# Altium PCB NURIP.PcbDoc (part 4 of 14) (continued)
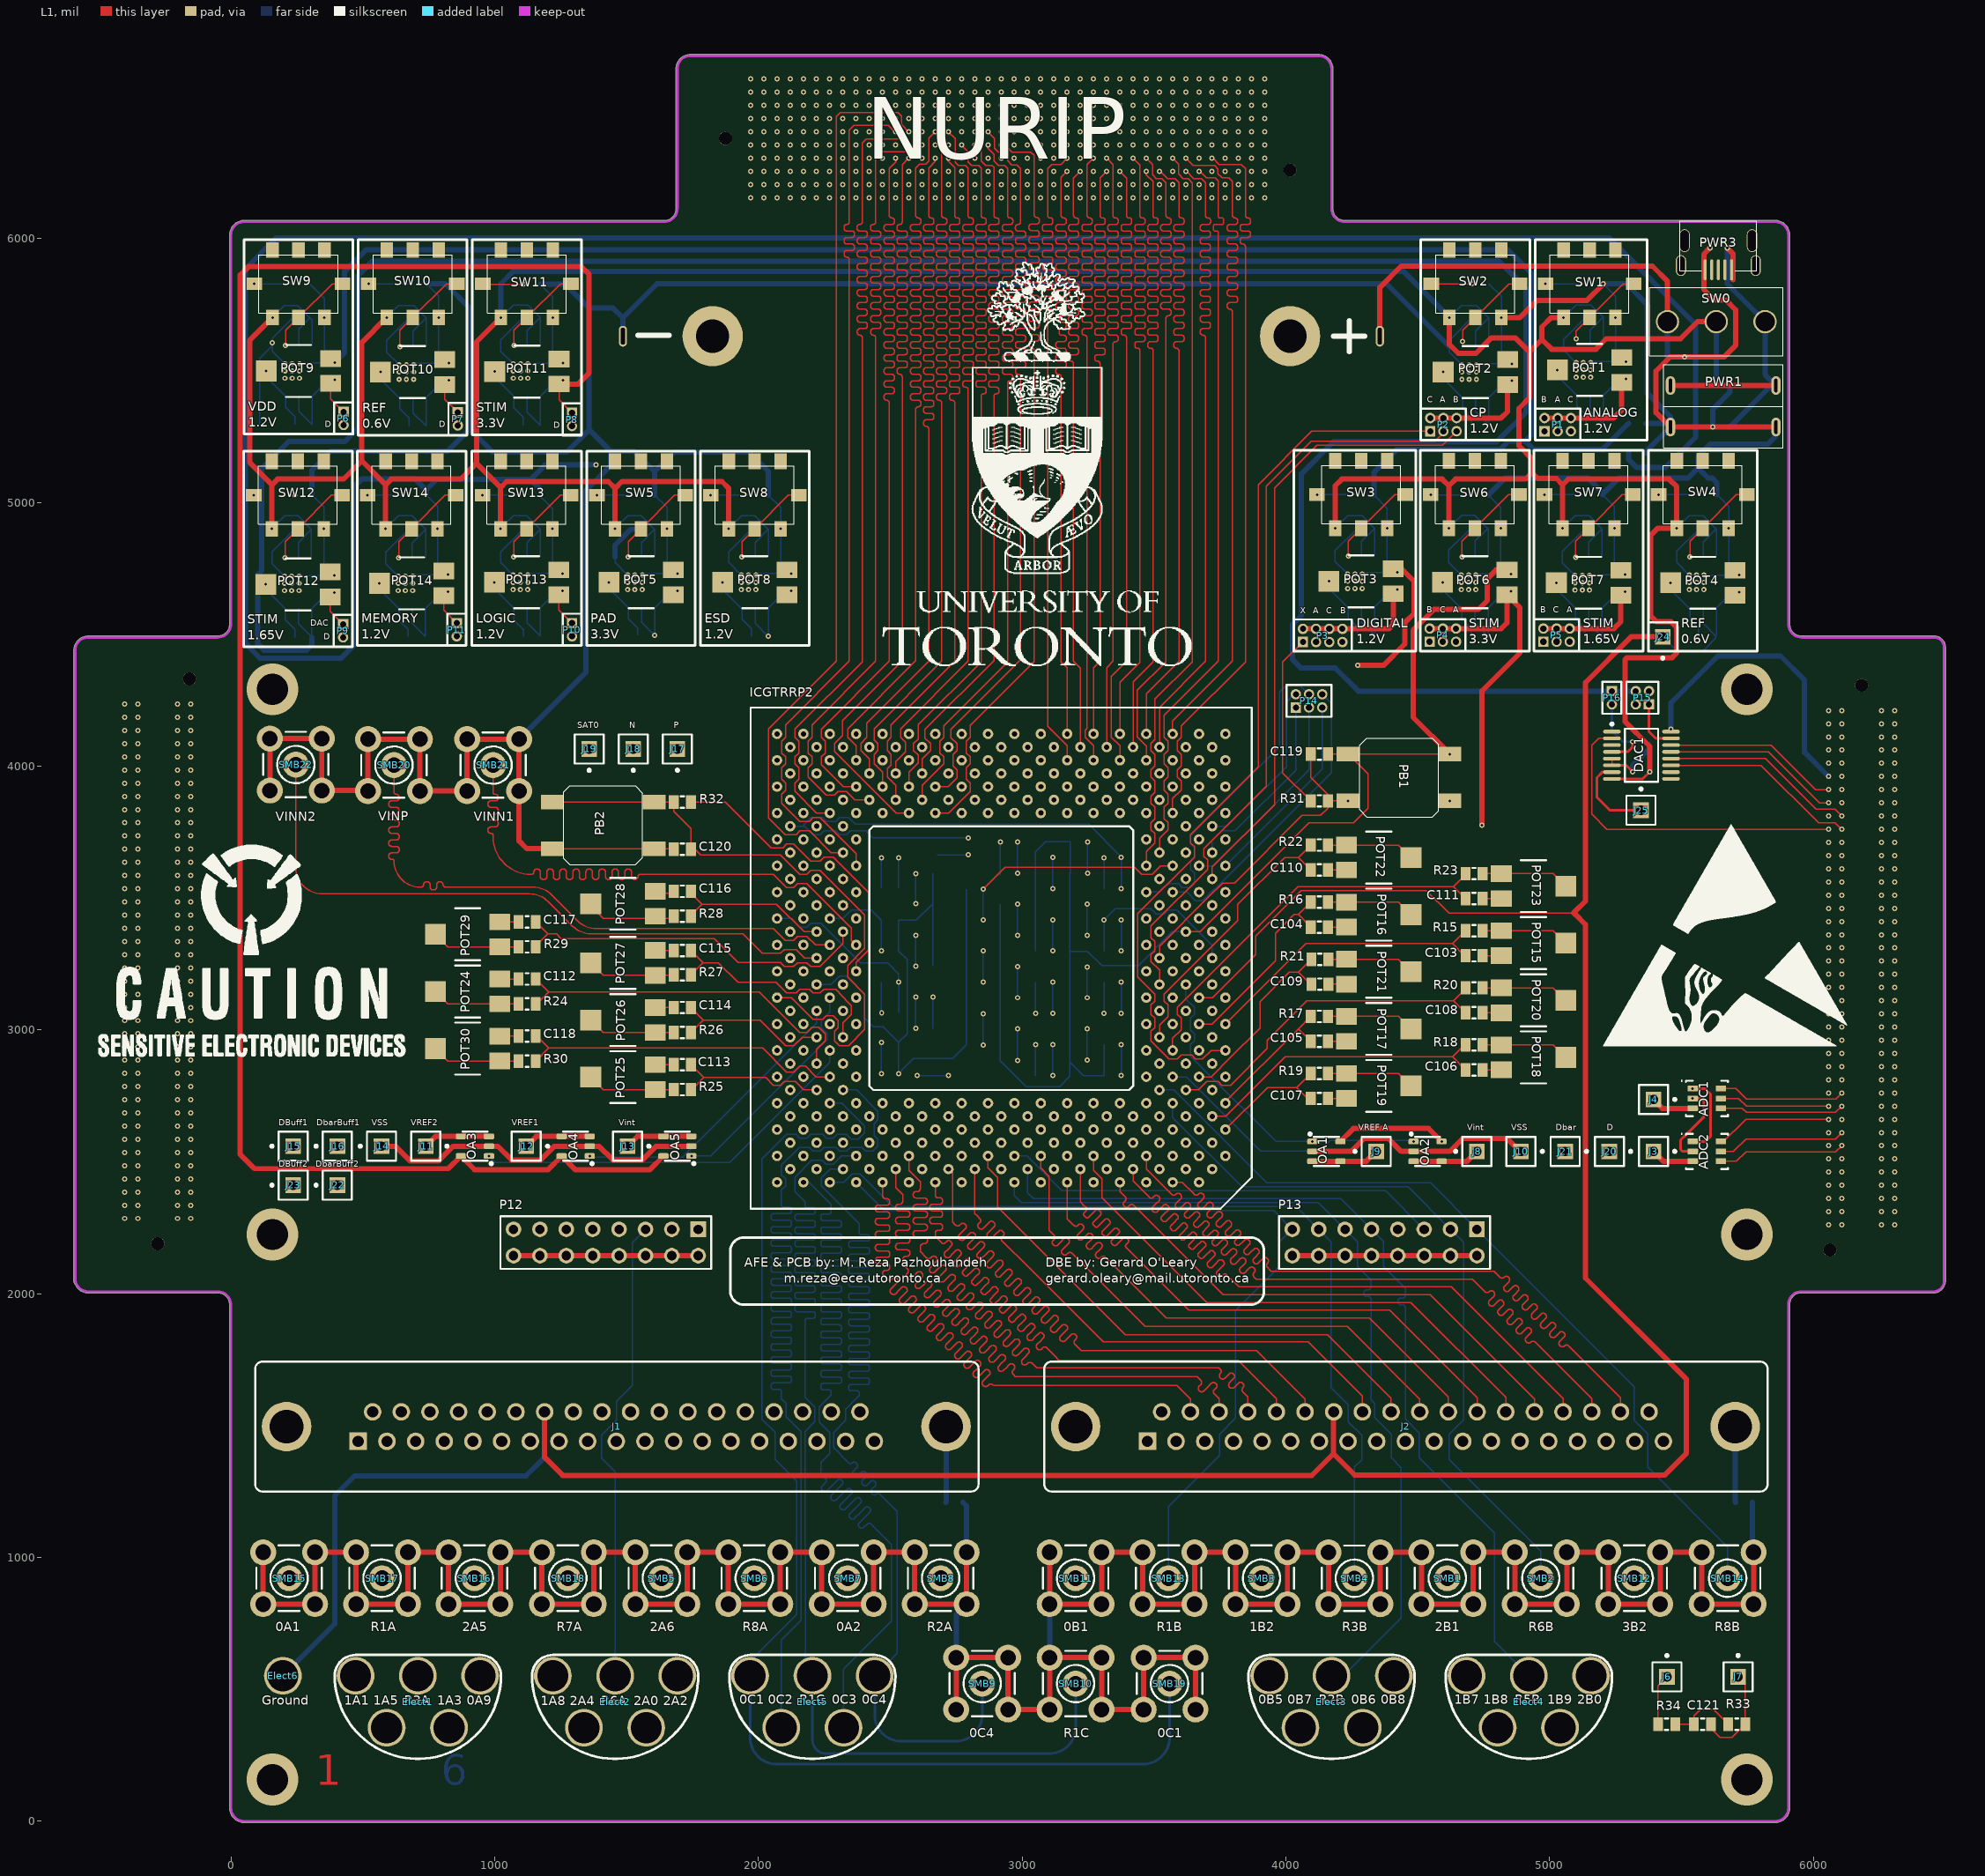
[diagram p0: L1 view]
## Nets (pads, with @x,y where several pads share a name; then routed paths per layer and width w, separated by ;. In a path a pad name is that pad's centre, name@x,y a point inside that pad or via, vN(x,y) a via of type N, cw(c..) or ccw(c..) an arc to the next point about the centre after c; other vN are vias at no path point) (continued)
1B3: ICGTRRP2.A23 J2.24 | length 3006.1
  L1 w5: ICGTRRP2.A23@2670.71,2422.2 2670.71,2375.98 2670.71,2373.52 ccw(c2680.58,2373.52) 2680.58,2363.64 2688.39,2363.64 cw(c2688.39,2353.77) 2698.27,2353.77 2698.27,2348.83 cw(c2688.39,2348.83) 2688.39,2338.96 2670.71,2338.96 2660.03,2338.96 ccw(c2660.03,2329.08) 2650.16,2329.08 2650.16,2324.15 ccw(c2660.03,2324.15) 2660.03,2314.27 2670.71,2314.27 2688.39,2314.27 cw(c2688.39,2304.4) 2698.27,2304.4 2698.27,2299.46 cw(c2688.39,2299.46) 2688.39,2289.59 2670.71,2289.59 2660.03,2289.59 ccw(c2660.03,2279.71) 2650.16,2279.71 2650.16,2274.78 ccw(c2660.03,2274.78) 2660.03,2264.9 2670.71,2264.9 2688.39,2264.9 cw(c2688.39,2255.03) 2698.27,2255.03 2698.27,2250.09 cw(c2688.39,2250.09) 2688.39,2240.22 2680.58,2240.22 ccw(c2680.58,2230.34) 2670.71,2230.34 2670.71,2226.38 2670.71,2217.09 2692.91,2194.88 2694.66,2193.14 ccw(c2701.64,2200.12) 2708.62,2193.14 2713.95,2198.47 cw(c2720.93,2191.48) 2727.92,2198.47 2731.41,2194.97 cw(c2724.43,2187.99) 2731.41,2181.01 2719.1,2168.7 2706.78,2156.39 ccw(c2713.77,2149.41) 2706.78,2142.42 2710.28,2138.93 ccw(c2717.26,2145.92) 2724.24,2138.93 2736.55,2151.24 2748.86,2163.56 cw(c2755.84,2156.57) 2762.83,2163.56 2766.32,2160.07 cw(c2759.34,2153.08) 2766.32,2146.1 2754.01,2133.79 2741.69,2121.48 ccw(c2748.68,2114.5) 2741.69,2107.51 2745.19,2104.02 ccw(c2752.17,2111.01) 2759.15,2104.02 2771.46,2116.33 2783.77,2128.65 cw(c2790.75,2121.66) 2797.74,2128.65 2801.23,2125.16 cw(c2794.25,2118.17) 2801.23,2111.19 2788.92,2098.88 2776.6,2086.57 ccw(c2783.59,2079.59) 2776.6,2072.6 2780.1,2069.11 ccw(c2787.08,2076.1) 2794.06,2069.11 2806.37,2081.42 2818.68,2093.74 cw(c2825.66,2086.75) 2832.65,2093.74 2836.14,2090.25 cw(c2829.15,2083.26) 2836.14,2076.28 2823.83,2063.97 2811.51,2051.66 ccw(c2818.5,2044.68) 2811.51,2037.69 2815,2034.2 ccw(c2821.99,2041.19) 2828.97,2034.2 2841.28,2046.51 2853.59,2058.83 cw(c2860.57,2051.84) 2867.56,2058.83 2871.05,2055.34 cw(c2864.06,2048.35) 2871.05,2041.37 2858.74,2029.06 2846.42,2016.75 ccw(c2853.41,2009.77) 2846.42,2002.78 2849.91,1999.29 ccw(c2856.9,2006.28) 2863.88,1999.29 2876.19,2011.61 2888.5,2023.92 cw(c2895.48,2016.93) 2902.47,2023.92 2905.96,2020.43 cw(c2898.97,2013.44) 2905.96,2006.46 2893.65,1994.15 2881.33,1981.84 ccw(c2888.32,1974.86) 2881.33,1967.87 2884.82,1964.38 ccw(c2891.81,1971.37) 2898.79,1964.38 2911.1,1976.7 2923.41,1989.01 cw(c2930.39,1982.02) 2937.38,1989.01 2940.87,1985.52 cw(c2933.88,1978.53) 2940.87,1971.55 2928.56,1959.24 2916.24,1946.93 ccw(c2923.23,1939.95) 2916.24,1932.96 2919.73,1929.47 ccw(c2926.72,1936.46) 2933.7,1929.47 2946.01,1941.79 2958.32,1954.1 cw(c2965.3,1947.11) 2972.29,1954.1 2975.78,1950.61 cw(c2968.79,1943.62) 2975.78,1936.64 2963.46,1924.33 2951.15,1912.02 ccw(c2958.14,1905.04) 2951.15,1898.05 2954.64,1894.56 ccw(c2961.63,1901.55) 2968.61,1894.56 2980.92,1906.88 2993.23,1919.19 cw(c3000.21,1912.21) 3007.2,1919.19 3010.69,1915.7 cw(c3003.7,1908.71) 3010.69,1901.73 2998.37,1889.42 2986.06,1877.11 ccw(c2993.05,1870.13) 2986.06,1863.15 2989.55,1859.65 ccw(c2996.54,1866.64) 3003.52,1859.65 3015.83,1871.97 3028.14,1884.28 cw(c3035.12,1877.3) 3042.11,1884.28 3045.6,1880.79 cw(c3038.61,1873.8) 3045.6,1866.82 3033.28,1854.51 3020.97,1842.2 ccw(c3027.95,1835.22) 3020.97,1828.24 3024.46,1824.74 ccw(c3031.45,1831.73) 3038.43,1824.74 3050.74,1837.06 3063.05,1849.37 cw(c3070.03,1842.39) 3077.01,1849.37 3080.51,1845.88 cw(c3073.52,1838.89) 3080.51,1831.91 3068.19,1819.6 3055.88,1807.29 ccw(c3062.86,1800.31) 3055.88,1793.33 3059.37,1789.83 ccw(c3066.36,1796.82) 3073.34,1789.83 3078.67,1795.16 cw(c3085.65,1788.18) 3092.63,1795.16 3122.05,1765.75 3139.76,1748.03 3818.9,1748.03 3964.11,1602.82 J2.24@3964.11,1551.97
1B4: ICGTRRP2.B22 J2.25 | length 3000.1
  L1 w5: ICGTRRP2.B22@2720.71,2472.2 2736.22,2456.69 2736.22,2271.65 2747.05,2260.83 2747.92,2259.95 ccw(c2755.77,2267.81) 2763.63,2259.95 2767.41,2263.73 cw(c2775.26,2255.88) 2783.12,2263.73 2784.86,2261.99 cw(c2777.01,2254.13) 2784.86,2246.28 2773.23,2234.64 2761.6,2223.01 ccw(c2769.45,2215.16) 2761.6,2207.3 2763.34,2205.56 ccw(c2771.2,2213.41) 2779.05,2205.56 2790.68,2217.19 2802.32,2228.82 cw(c2810.17,2220.97) 2818.03,2228.82 2819.77,2227.08 cw(c2811.92,2219.22) 2819.77,2211.37 2808.14,2199.73 2796.51,2188.1 ccw(c2804.36,2180.25) 2796.51,2172.39 2798.25,2170.65 ccw(c2806.11,2178.5) 2813.96,2170.65 2825.59,2182.28 2837.23,2193.91 cw(c2845.08,2186.06) 2852.94,2193.91 2854.68,2192.17 cw(c2846.83,2184.31) 2854.68,2176.46 2843.05,2164.82 2831.42,2153.19 ccw(c2839.27,2145.34) 2831.42,2137.48 2833.16,2135.74 ccw(c2841.02,2143.59) 2848.87,2135.74 2860.5,2147.37 2872.14,2159 cw(c2879.99,2151.15) 2887.85,2159 2889.59,2157.26 cw(c2881.74,2149.4) 2889.59,2141.55 2877.96,2129.91 2866.33,2118.28 ccw(c2874.18,2110.43) 2866.33,2102.57 2868.07,2100.83 ccw(c2875.93,2108.68) 2883.78,2100.83 2895.41,2112.46 2907.05,2124.09 cw(c2914.9,2116.24) 2922.76,2124.09 2924.5,2122.35 cw(c2916.65,2114.49) 2924.5,2106.64 2912.87,2095.01 2901.24,2083.37 ccw(c2909.09,2075.52) 2901.24,2067.66 2902.98,2065.92 ccw(c2910.84,2073.77) 2918.69,2065.92 2930.32,2077.55 2941.96,2089.18 cw(c2949.81,2081.33) 2957.67,2089.18 2959.41,2087.44 cw(c2951.56,2079.58) 2959.41,2071.73 2947.78,2060.1 2936.15,2048.46 ccw(c2944,2040.61) 2936.15,2032.75 2937.89,2031.01 ccw(c2945.75,2038.86) 2953.6,2031.01 2965.23,2042.64 2976.87,2054.27 cw(c2984.72,2046.42) 2992.58,2054.27 2994.32,2052.53 cw(c2986.47,2044.67) 2994.32,2036.82 2982.69,2025.19 2971.06,2013.55 ccw(c2978.91,2005.7) 2971.06,1997.84 2972.8,1996.1 ccw(c2980.66,2003.95) 2988.51,1996.1 3000.14,2007.73 3011.78,2019.36 cw(c3019.63,2011.51) 3027.49,2019.36 3029.23,2017.62 cw(c3021.38,2009.76) 3029.23,2001.91 3017.6,1990.28 3005.97,1978.64 ccw(c3013.82,1970.79) 3005.97,1962.93 3007.71,1961.19 ccw(c3015.57,1969.04) 3023.42,1961.19 3035.05,1972.82 3046.69,1984.45 cw(c3054.54,1976.6) 3062.4,1984.45 3064.14,1982.71 cw(c3056.29,1974.85) 3064.14,1967 3052.51,1955.37 3040.88,1943.73 ccw(c3048.73,1935.88) 3040.88,1928.02 3042.62,1926.28 ccw(c3050.48,1934.13) 3058.33,1926.28 3069.96,1937.91 3081.6,1949.54 cw(c3089.45,1941.69) 3097.31,1949.54 3099.05,1947.8 cw(c3091.2,1939.94) 3099.05,1932.09 3087.42,1920.46 3075.79,1908.82 ccw(c3083.64,1900.97) 3075.79,1893.11 3077.53,1891.37 ccw(c3085.39,1899.22) 3093.24,1891.37 3104.87,1903 3116.51,1914.63 cw(c3124.36,1906.78) 3132.22,1914.63 3133.96,1912.89 cw(c3126.11,1905.03) 3133.96,1897.18 3122.33,1885.55 3110.7,1873.91 ccw(c3118.55,1866.06) 3110.7,1858.2 3112.44,1856.46 ccw(c3120.3,1864.31) 3128.15,1856.46 3139.78,1868.09 3151.42,1879.72 cw(c3159.27,1871.87) 3167.13,1879.72 3168.87,1877.98 cw(c3161.02,1870.12) 3168.87,1862.27 3157.24,1850.64 3145.61,1839 ccw(c3153.46,1831.15) 3145.61,1823.29 3147.35,1821.55 ccw(c3155.21,1829.4) 3163.06,1821.55 3174.69,1833.18 3186.33,1844.81 cw(c3194.18,1836.96) 3202.03,1844.81 3203.78,1843.07 cw(c3195.93,1835.21) 3203.78,1827.36 3200,1823.58 ccw(c3207.86,1815.73) 3200,1807.87 3224.41,1783.46 3236.75,1783.46 3251.08,1783.46 3889.76,1783.46 4072.81,1600.41 J2.25@4072.81,1551.97
1B5: ICGTRRP2.C21 J2.8 | length 3006.1
  L5 w5: ICGTRRP2.C21@2770.71,2522.2 2770.71,2467.72 2828.74,2409.69 2828.74,2267.72 2842.52,2253.94 2843.39,2253.06 ccw(c2851.25,2260.92) 2859.1,2253.06 2862.67,2256.63 cw(c2870.52,2248.78) 2878.38,2256.63 2880.12,2254.89 cw(c2872.27,2247.03) 2880.12,2239.18 2868.7,2227.75 2857.28,2216.33 ccw(c2865.14,2208.48) 2857.28,2200.62 2859.03,2198.88 ccw(c2866.88,2206.73) 2874.74,2198.88 2886.16,2210.3 2894.03,2218.17 cw(c2901.88,2210.31) 2909.73,2218.17 2911.48,2216.42 cw(c2903.63,2208.57) 2911.48,2200.71 2903.61,2192.84 2892.19,2181.42 ccw(c2900.05,2173.57) 2892.19,2165.71 2893.94,2163.97 ccw(c2901.79,2171.82) 2909.65,2163.97 2921.07,2175.39 2932.49,2186.81 cw(c2940.34,2178.96) 2948.2,2186.81 2949.94,2185.07 cw(c2942.09,2177.21) 2949.94,2169.36 2938.52,2157.93 2927.1,2146.51 ccw(c2934.95,2138.66) 2927.1,2130.8 2928.85,2129.06 ccw(c2936.7,2136.91) 2944.55,2129.06 2955.98,2140.48 2967.4,2151.9 cw(c2975.25,2144.05) 2983.11,2151.9 2984.85,2150.16 cw(c2977,2142.3) 2984.85,2134.45 2973.43,2123.03 2962.01,2111.6 ccw(c2969.86,2103.75) 2962.01,2095.89 2963.76,2094.15 ccw(c2971.61,2102) 2979.46,2094.15 2990.89,2105.57 3002.31,2116.99 cw(c3010.16,2109.14) 3018.02,2116.99 3019.76,2115.25 cw(c3011.91,2107.39) 3019.76,2099.54 3008.34,2088.12 2996.92,2076.69 ccw(c3004.77,2068.84) 2996.92,2060.98 2998.67,2059.24 ccw(c3006.52,2067.09) 3014.37,2059.24 3025.8,2070.66 3037.22,2082.08 cw(c3045.07,2074.23) 3052.93,2082.08 3054.67,2080.34 cw(c3046.82,2072.48) 3054.67,2064.63 3043.25,2053.21 3031.83,2041.78 ccw(c3039.68,2033.93) 3031.83,2026.07 3033.58,2024.33 ccw(c3041.43,2032.18) 3049.28,2024.33 3060.71,2035.75 3072.13,2047.17 cw(c3079.98,2039.32) 3087.84,2047.17 3089.58,2045.43 cw(c3081.73,2037.57) 3089.58,2029.72 3078.16,2018.3 3066.74,2006.87 ccw(c3074.59,1999.02) 3066.74,1991.16 3068.49,1989.42 ccw(c3076.34,1997.27) 3084.19,1989.42 3095.62,2000.84 3107.04,2012.26 cw(c3114.89,2004.41) 3122.75,2012.26 3124.49,2010.52 cw(c3116.64,2002.66) 3124.49,1994.81 3113.07,1983.39 3101.65,1971.96 ccw(c3109.5,1964.11) 3101.65,1956.25 3103.4,1954.51 ccw(c3111.25,1962.36) 3119.1,1954.51 3130.53,1965.93 3141.95,1977.35 cw(c3149.8,1969.5) 3157.66,1977.35 3159.4,1975.61 cw(c3151.55,1967.75) 3159.4,1959.9 3147.98,1948.48 3136.56,1937.05 ccw(c3144.41,1929.2) 3136.56,1921.34 3138.3,1919.6 ccw(c3146.16,1927.45) 3154.01,1919.6 3165.44,1931.02 3176.86,1942.44 cw(c3184.71,1934.59) 3192.57,1942.44 3194.31,1940.7 cw(c3186.46,1932.84) 3194.31,1924.99 3182.89,1913.57 3171.47,1902.14 ccw(c3179.32,1894.29) 3171.47,1886.43 3173.21,1884.69 ccw(c3181.07,1892.54) 3188.92,1884.69 3192.49,1888.26 cw(c3200.35,1880.4) 3208.2,1888.26 3294.39,1802.07 4040.45,1802.07 4235.87,1606.65 J2.8@4235.87,1440.16
1B6: ICGTRRP2.A21 J2.7 | length 3006.1
  L5 w5: ICGTRRP2.A21@2770.71,2422.2 2770.71,2372.05 2770.71,2368.6 ccw(c2779.6,2368.6) 2779.6,2359.7 cw(c2779.6,2348.6) 2790.71,2348.6 2790.71,2346.13 cw(c2779.6,2346.13) 2779.6,2335.02 2770.71,2335.02 2755,2335.02 ccw(c2755,2323.91) 2743.89,2323.91 2743.89,2321.44 ccw(c2755,2321.44) 2755,2310.33 2770.71,2310.33 2778.86,2310.33 cw(c2778.86,2299.23) 2789.97,2299.23 2789.97,2296.76 cw(c2778.86,2296.76) 2778.86,2285.65 2770.71,2285.65 2755,2285.65 ccw(c2755,2274.54) 2743.89,2274.54 2743.89,2272.07 ccw(c2755,2272.07) 2755,2260.96 2759.6,2260.96 cw(c2759.6,2249.86) 2770.71,2249.86 2770.71,2236.28 2770.71,2221.42 2779.44,2212.69 2789.04,2203.09 ccw(c2796.89,2210.94) 2804.75,2203.09 2808,2206.34 cw(c2815.85,2198.49) 2823.71,2206.34 2825.45,2204.6 cw(c2817.6,2196.74) 2825.45,2188.89 2814.35,2177.78 2803.24,2166.67 ccw(c2811.09,2158.82) 2803.24,2150.96 2804.98,2149.22 ccw(c2812.84,2157.07) 2820.69,2149.22 2831.8,2160.32 2842.91,2171.43 cw(c2850.76,2163.58) 2858.62,2171.43 2860.36,2169.69 cw(c2852.51,2161.83) 2860.36,2153.98 2849.26,2142.87 2838.15,2131.76 ccw(c2846,2123.91) 2838.15,2116.05 2839.89,2114.31 ccw(c2847.75,2122.16) 2855.6,2114.31 2866.71,2125.42 2877.82,2136.52 cw(c2885.67,2128.67) 2893.53,2136.52 2895.27,2134.78 cw(c2887.42,2126.92) 2895.27,2119.07 2884.17,2107.96 2873.06,2096.85 ccw(c2880.91,2089) 2873.06,2081.14 2874.8,2079.4 ccw(c2882.66,2087.25) 2890.51,2079.4 2901.62,2090.51 2912.73,2101.61 cw(c2920.58,2093.76) 2928.44,2101.61 2930.18,2099.87 cw(c2922.33,2092.01) 2930.18,2084.16 2919.08,2073.05 2907.97,2061.94 ccw(c2915.82,2054.09) 2907.97,2046.23 2909.71,2044.49 ccw(c2917.57,2052.34) 2925.42,2044.49 2936.53,2055.6 2947.64,2066.7 cw(c2955.49,2058.85) 2963.35,2066.7 2965.09,2064.96 cw(c2957.24,2057.1) 2965.09,2049.25 2953.99,2038.14 2942.88,2027.03 ccw(c2950.73,2019.18) 2942.88,2011.32 2944.62,2009.58 ccw(c2952.48,2017.43) 2960.33,2009.58 2971.44,2020.69 2982.55,2031.79 cw(c2990.4,2023.94) 2998.26,2031.79 3000,2030.05 cw(c2992.15,2022.19) 3000,2014.34 2988.9,2003.23 2977.79,1992.12 ccw(c2985.64,1984.27) 2977.79,1976.41 2979.53,1974.67 ccw(c2987.39,1982.52) 2995.24,1974.67 3006.35,1985.78 3017.46,1996.88 cw(c3025.31,1989.03) 3033.17,1996.88 3034.91,1995.14 cw(c3027.06,1987.28) 3034.91,1979.43 3023.81,1968.32 3012.7,1957.21 ccw(c3020.55,1949.36) 3012.7,1941.5 3014.44,1939.76 ccw(c3022.3,1947.61) 3030.15,1939.76 3041.26,1950.87 3052.37,1961.97 cw(c3060.22,1954.12) 3068.08,1961.97 3069.82,1960.23 cw(c3061.97,1952.37) 3069.82,1944.52 3058.72,1933.41 3047.61,1922.3 ccw(c3055.46,1914.45) 3047.61,1906.59 3049.35,1904.85 ccw(c3057.21,1912.7) 3065.06,1904.85 3076.17,1915.96 3087.28,1927.06 cw(c3095.13,1919.21) 3102.99,1927.06 3104.73,1925.32 cw(c3096.88,1917.46) 3104.73,1909.61 3093.62,1898.5 3082.52,1887.39 ccw(c3090.37,1879.54) 3082.52,1871.68 3084.26,1869.94 ccw(c3092.12,1877.79) 3099.97,1869.94 3111.08,1881.05 3122.19,1892.15 cw(c3130.04,1884.3) 3137.9,1892.15 3139.64,1890.41 cw(c3131.79,1882.55) 3139.64,1874.7 3128.53,1863.59 3117.43,1852.48 ccw(c3125.28,1844.63) 3117.43,1836.77 3119.17,1835.03 ccw(c3127.03,1842.88) 3134.88,1835.03 3138.14,1838.28 cw(c3145.99,1830.43) 3153.84,1838.28 3205.06,1787.07 3217.4,1787.07 3238.19,1787.07 cw(c3238.19,1783.17) 3242.09,1783.17 ccw(c3253.19,1783.17) 3253.19,1772.07 3255.66,1772.07 ccw(c3255.66,1783.17) 3266.77,1783.17 cw(c3270.67,1783.17) 3270.67,1787.07 3338.58,1787.07 3945.22,1787.07 4127.17,1605.12 J2.7@4127.17,1440.16
1B7: Elect4.3 ICGTRRP2.B12 J2.31 | length 3431.2
  L1 w5: ICGTRRP2.B12@3220.71,2472.2 3220.71,2348.19 3222.44,2346.46 3231.17,2337.73 3242.51,2326.38 cw(c3236.4,2320.27) 3242.51,2314.17 3235.25,2306.9 ccw(c3241.35,2300.79) 3235.25,2294.68 3240.48,2289.44 ccw(c3246.59,2295.55) 3252.7,2289.44 3266.08,2302.82 3279.46,2316.2 cw(c3285.57,2310.09) 3291.67,2316.2 3296.91,2310.96 cw(c3290.8,2304.85) 3296.91,2298.74 3283.53,2285.36 3270.16,2271.99 ccw(c3276.26,2265.88) 3270.16,2259.77 3275.39,2254.53 ccw(c3281.5,2260.64) 3287.61,2254.53 3300.99,2267.91 3314.37,2281.29 cw(c3320.48,2275.18) 3326.58,2281.29 3331.82,2276.05 cw(c3325.71,2269.94) 3331.82,2263.83 3318.44,2250.45 3305.07,2237.08 ccw(c3311.17,2230.97) 3305.07,2224.86 3310.3,2219.62 ccw(c3316.41,2225.73) 3322.52,2219.62 3335.9,2233 3349.28,2246.38 cw(c3355.39,2240.27) 3361.49,2246.38 3366.73,2241.14 cw(c3360.62,2235.03) 3366.73,2228.92 3353.35,2215.54 3339.97,2202.17 ccw(c3346.08,2196.06) 3339.97,2189.95 3345.21,2184.71 ccw(c3351.32,2190.82) 3357.43,2184.71 3370.81,2198.09 3384.19,2211.47 cw(c3390.3,2205.36) 3396.4,2211.47 3401.64,2206.23 cw(c3395.53,2200.12) 3401.64,2194.01 3394.37,2186.74 ccw(c3400.48,2180.63) 3394.37,2174.53 3493.11,2075.79 3631.89,1937.01 4393.7,1937.01 4725.02,1605.69 J2.31@4725.02,1551.97
  L2 w5: Elect4.3@4685.04,551.18 4685.04,665.35 4785.43,765.75 4785.43,1320.12 4725.02,1380.53 J2.31@4725.02,1551.97
1B8: Elect4.4 ICGTRRP2.A11 J2.13 | length 3422.6
  L2 w5: J2.13@4779.37,1440.16 4779.37,1379.92 4803.15,1356.14 Elect4.4@4803.15,354.33
  L5 w5: ICGTRRP2.A11@3270.71,2422.2 3270.71,2349.37 3273.62,2346.46 3275.37,2344.71 ccw(c3282.35,2351.69) 3289.33,2344.71 3294.85,2350.23 cw(c3301.84,2343.25) 3308.82,2350.23 3312.31,2346.74 cw(c3305.33,2339.76) 3312.31,2332.78 3299.8,2320.27 3287.3,2307.77 ccw(c3294.28,2300.79) 3287.3,2293.81 3290.79,2290.31 ccw(c3297.77,2297.3) 3304.75,2290.31 3317.26,2302.82 3329.76,2315.32 cw(c3336.75,2308.34) 3343.73,2315.32 3347.22,2311.83 cw(c3340.24,2304.85) 3347.22,2297.87 3334.71,2285.36 3322.21,2272.86 ccw(c3329.19,2265.88) 3322.21,2258.9 3325.7,2255.4 ccw(c3332.68,2262.39) 3339.66,2255.4 3352.17,2267.91 3364.67,2280.41 cw(c3371.66,2273.43) 3378.64,2280.41 3382.13,2276.92 cw(c3375.15,2269.94) 3382.13,2262.96 3369.62,2250.45 3357.12,2237.95 ccw(c3364.1,2230.97) 3357.12,2223.99 3360.61,2220.49 ccw(c3367.59,2227.48) 3374.57,2220.49 3380.1,2226.02 cw(c3387.08,2219.04) 3394.06,2226.02 3625.98,1994.09 3668.01,1952.07 4433.76,1952.07 4779.37,1606.46 J2.13@4779.37,1440.16
1B9: Elect4.2 ICGTRRP2.C11 J2.32 | length 3431.9
  L1 w5: ICGTRRP2.C11@3270.71,2522.2 3270.71,2467.72 3302.89,2435.54 3302.89,2364.43 3700.79,1966.54 4474.41,1966.54 4833.72,1607.22 J2.32@4833.72,1551.97
  L2 w5: J2.32@4833.72,1551.97 4833.72,1380.85 5133.86,1080.71 5133.86,767.72 5039.37,673.23 Elect4.2@5039.37,354.33
2A0: Elect2.2 ICGTRRP2.E13 J1.32 | length 3780.9
  L4 w5: J1.32@1841.59,1551.97 1841.59,1605.37 2005.91,1769.68 2637.8,1769.68 2799.21,1931.1 2861.03,1992.92 cw(c2867.97,1985.99) 2874.91,1992.92 ccw(c2881.89,1999.91) 2888.87,1992.92 2892.36,1996.42 ccw(c2885.38,2003.4) 2892.36,2010.38 2885.43,2017.32 2878.49,2024.25 cw(c2885.47,2031.24) 2878.49,2038.22 2881.98,2041.71 cw(c2888.96,2034.73) 2895.94,2041.71 2902.88,2034.77 2909.82,2027.83 ccw(c2916.8,2034.82) 2923.78,2027.83 2927.27,2031.33 ccw(c2920.29,2038.31) 2927.27,2045.29 2920.34,2052.23 2913.4,2059.16 cw(c2920.38,2066.15) 2913.4,2073.13 2916.89,2076.62 cw(c2923.87,2069.64) 2930.85,2076.62 2937.79,2069.68 2944.73,2062.74 ccw(c2951.71,2069.73) 2958.69,2062.74 2962.18,2066.24 ccw(c2955.2,2073.22) 2962.18,2080.2 2955.25,2087.14 2948.31,2094.07 cw(c2955.29,2101.06) 2948.31,2108.04 2951.8,2111.53 cw(c2958.78,2104.55) 2965.76,2111.53 2972.7,2104.59 2979.64,2097.65 ccw(c2986.62,2104.64) 2993.6,2097.65 2997.09,2101.14 ccw(c2990.11,2108.13) 2997.09,2115.11 2990.16,2122.05 2983.22,2128.98 cw(c2990.2,2135.97) 2983.22,2142.95 2986.71,2146.44 cw(c2993.69,2139.46) 3000.67,2146.44 3007.61,2139.5 3014.55,2132.56 ccw(c3021.53,2139.55) 3028.51,2132.56 3032,2136.05 ccw(c3025.02,2143.04) 3032,2150.02 3025.07,2156.96 3018.13,2163.89 cw(c3025.11,2170.88) 3018.13,2177.86 3021.62,2181.35 cw(c3028.6,2174.37) 3035.58,2181.35 3042.52,2174.41 3049.46,2167.47 ccw(c3056.44,2174.46) 3063.42,2167.47 3066.91,2170.96 ccw(c3059.93,2177.95) 3066.91,2184.93 3059.98,2191.87 3053.04,2198.8 cw(c3060.02,2205.79) 3053.04,2212.77 3056.53,2216.26 cw(c3063.51,2209.28) 3070.49,2216.26 3077.43,2209.32 3084.37,2202.38 ccw(c3091.35,2209.37) 3098.33,2202.38 3101.82,2205.87 ccw(c3094.84,2212.86) 3101.82,2219.84 3094.89,2226.78 3087.95,2233.71 cw(c3094.93,2240.7) 3087.95,2247.68 3091.44,2251.17 cw(c3098.42,2244.19) 3105.4,2251.17 ccw(c3112.34,2258.11) 3119.28,2251.17 3129.8,2261.69 3138.52,2270.41 3138.52,2444.5 3152.89,2458.87 3152.89,2494.5 3138.52,2508.87 3138.52,2535.54 3170.71,2567.72 ICGTRRP2.E13@3170.71,2622.2
  L5 w5: Elect2.2@1574.8,354.33 1574.8,606.3 1639.76,671.26 1718.06,671.26 1822.83,776.03 1822.83,1374.02 1841.59,1392.78 J1.32@1841.59,1551.97
2A1: ICGTRRP2.F22 J1.4 | length 3015.9
  L3 w5: J1.4@808.94,1440.16 808.94,1610.12 1239.45,2040.63 2034.65,2040.63 2094.49,2100.47 2132.85,2138.83 ccw(c2127.65,2144.02) 2132.85,2149.21 2133.15,2148.9 ; 2133.18,2148.87 cw(c2141.91,2157.6) 2133.18,2166.33 cw(c2141.91,2157.6) 2150.64,2166.33 2155.49,2161.47 2160.35,2156.62 ccw(c2169.08,2165.34) 2177.81,2156.62 ccw(c2169.08,2165.34) 2177.81,2174.07 2172.95,2178.93 2168.09,2183.78 cw(c2176.82,2192.51) 2168.09,2201.24 cw(c2176.82,2192.51) 2185.55,2201.24 2190.4,2196.38 2195.26,2191.53 ccw(c2203.99,2200.25) 2212.72,2191.53 ccw(c2203.99,2200.25) 2212.72,2208.98 2207.86,2213.84 2203,2218.69 cw(c2211.73,2227.42) 2203,2236.15 cw(c2211.73,2227.42) 2220.46,2236.15 2225.31,2231.29 2230.17,2226.44 ccw(c2238.9,2235.16) 2247.63,2226.44 ccw(c2238.9,2235.16) 2247.63,2243.89 2242.77,2248.75 2237.91,2253.6 cw(c2246.64,2262.33) 2237.91,2271.06 cw(c2246.64,2262.33) 2255.37,2271.06 2260.22,2266.2 2265.08,2261.35 ccw(c2273.81,2270.07) 2282.53,2261.35 ccw(c2273.81,2270.07) 2282.53,2278.8 2277.68,2283.66 2272.82,2288.51 cw(c2281.55,2297.24) 2272.82,2305.97 cw(c2281.55,2297.24) 2290.28,2305.97 2295.13,2301.11 2299.99,2296.26 ccw(c2308.72,2304.98) 2317.44,2296.26 ccw(c2308.72,2304.98) 2317.44,2313.71 2312.59,2318.57 2307.73,2323.42 cw(c2316.46,2332.15) 2307.73,2340.88 cw(c2316.46,2332.15) 2325.19,2340.88 2330.04,2336.02 2335.23,2330.83 ccw(c2343.96,2339.56) 2352.69,2330.83 ccw(c2343.96,2339.56) 2352.69,2348.29 cw(c2357.88,2353.48) 2352.69,2358.67 2356.23,2362.2 2402.89,2408.87 2402.89,2444.5 2388.52,2458.87 2388.52,2494.5 2402.89,2508.87 2402.89,2544.5 2388.52,2558.87 2388.52,2594.5 2448.41,2654.39 2493.01,2654.39 2507.38,2640.02 2534.04,2640.02 2548.41,2654.39 2593.01,2654.39 2607.38,2640.02 2634.04,2640.02 2666.23,2672.2 ICGTRRP2.F22@2720.71,2672.2
2A2: Elect2.1 ICGTRRP2.G13 J1.18 | length 3788.5
  L3 w5: J1.18@2330.75,1440.16 2330.75,1604.37 2362.01,1635.63 2958.46,1635.63 3538.52,2215.69 3538.52,2435.54 3552.89,2449.91 3552.89,2485.54 3538.52,2499.91 3538.52,2544.5 3552.89,2558.87 3552.89,2594.5 3438.74,2708.66 3402.68,2708.66 3384.04,2690.02 3353.11,2690.02 3338.74,2704.39 3298.41,2704.39 3284.04,2690.02 3257.38,2690.02 3225.19,2722.2 ICGTRRP2.G13@3170.71,2722.2
  L5 w5: Elect2.1@1692.91,551.18 1836.61,694.88 2094.49,694.88 2157.48,757.87 2157.48,1266.9 J1.18@2330.75,1440.16
2A3: ICGTRRP2.F20 J1.3 | length 3013.3
  L3 w5: J1.3@700.24,1440.16 700.24,1616.47 1154.39,2070.63 2007.64,2070.63 2057.09,2120.08 2059.75,2122.74 ccw(c2053.68,2128.81) 2059.75,2134.87 cw(c2067.6,2142.73) 2059.75,2150.58 2061.49,2152.33 cw(c2069.35,2144.47) 2077.2,2152.33 2083.27,2146.26 2089.33,2140.2 ccw(c2097.19,2148.05) 2105.04,2140.2 2106.79,2141.94 ccw(c2098.93,2149.8) 2106.79,2157.65 cw(c2112.85,2163.72) 2106.79,2169.78 2119.09,2182.09 2338.52,2401.52 2338.52,2444.5 2352.89,2458.87 2352.89,2485.54 2338.52,2499.91 2338.52,2544.5 2352.89,2558.87 2352.89,2594.5 2338.52,2608.87 2338.52,2637.74 2405.18,2704.39 2443.01,2704.39 2457.38,2690.02 2484.04,2690.02 2498.41,2704.39 2543.01,2704.39 2557.38,2690.02 2584.04,2690.02 2598.41,2704.39 2643.01,2704.39 2660.19,2687.2 2690.19,2687.2 2707.38,2704.39 2734.04,2704.39 2766.23,2672.2 ICGTRRP2.F20@2820.71,2672.2
2A4: Elect2.4 ICGTRRP2.G15 J1.13 | length 3783.1
  L3 w5: J1.13@1787.24,1440.16 1787.24,1606.14 1966.73,1785.63 2608.46,1785.63 2894.69,2071.85 3000.78,2177.95 cw(c3006.89,2171.84) 3013,2177.95 3014.7,2176.25 ccw(c3020.81,2182.36) 3026.92,2176.25 3032.16,2181.48 ccw(c3026.05,2187.59) 3032.16,2193.7 3024.35,2201.51 3016.54,2209.32 cw(c3022.65,2215.43) 3016.54,2221.54 3021.77,2226.78 cw(c3027.88,2220.67) 3033.99,2226.78 3041.8,2218.97 3049.61,2211.16 ccw(c3055.72,2217.27) 3061.83,2211.16 3067.07,2216.39 ccw(c3060.96,2222.5) 3067.07,2228.61 3059.26,2236.42 3051.45,2244.23 cw(c3057.56,2250.34) 3051.45,2256.45 3056.68,2261.69 cw(c3062.79,2255.58) 3068.9,2261.69 3070.6,2259.99 ccw(c3076.71,2266.1) 3082.82,2259.99 3094.17,2271.33 3102.89,2280.06 3102.89,2444.5 3088.52,2458.87 3088.52,2485.54 3102.89,2499.91 3102.89,2535.54 3088.52,2549.91 3088.52,2585.54 3102.89,2599.91 3102.89,2635.54 3070.71,2667.72 ICGTRRP2.G15@3070.71,2722.2
  L5 w5: Elect2.4@1338.58,354.33 1338.58,555.4 1493.81,710.63 1722.44,710.63 1807.83,796.02 1807.83,1293.31 1787.24,1313.9 J1.13@1787.24,1440.16
2A5: ICGTRRP2.E19 J1.9 SMB16.1 | length 3118.3
  L3 w5: SMB16.1@923.23,921.26 923.23,1045.28 972.44,1094.49 1068.9,1094.49 1352.44,1378.03 J1.9@1352.44,1440.16 1352.44,1610.32 1647.76,1905.63 2348.54,1905.63 2661.42,2218.5 2716.26,2273.35 cw(c2722.37,2267.24) 2728.48,2273.35 2730.18,2271.65 ccw(c2736.29,2277.76) 2742.4,2271.65 2747.64,2276.89 ccw(c2741.53,2282.99) 2747.64,2289.1 2739.83,2296.91 2732.02,2304.72 cw(c2738.13,2310.83) 2732.02,2316.94 2737.25,2322.18 cw(c2743.36,2316.07) 2749.47,2322.18 2757.28,2314.37 2765.09,2306.56 ccw(c2771.2,2312.67) 2777.31,2306.56 2782.55,2311.8 ccw(c2776.44,2317.9) 2782.55,2324.01 2780.85,2325.71 cw(c2786.96,2331.82) 2780.85,2337.93 2783.46,2340.55 2802.89,2359.98 2802.89,2444.5 2788.52,2458.87 2788.52,2494.5 2802.89,2508.87 2802.89,2544.5 2788.52,2558.87 2788.52,2593.64 2817.09,2622.2 ICGTRRP2.E19@2870.71,2622.2
2A6: ICGTRRP2.D16 J1.30 SMB5.1 | length 3329.8
  L3 w5: J1.30@1624.19,1551.97 1624.19,928.96 SMB5.1@1631.89,921.26
  L4 w5: J1.30@1624.19,1551.97 1624.19,1616.32 1838.58,1830.71 2503.94,1830.71 2512.8,1839.57 2586.59,1913.37 cw(c2592.7,1907.26) 2598.81,1913.37 2600.51,1911.66 ccw(c2606.62,1917.77) 2612.73,1911.66 2617.97,1916.9 ccw(c2611.86,1923.01) 2617.97,1929.12 2610.16,1936.93 2602.35,1944.74 cw(c2608.46,1950.85) 2602.35,1956.96 2607.58,1962.19 cw(c2613.69,1956.09) 2619.8,1962.19 2627.61,1954.38 2635.42,1946.57 ccw(c2641.53,1952.68) 2647.64,1946.57 2652.88,1951.81 ccw(c2646.77,1957.92) 2652.88,1964.03 2645.07,1971.84 2637.26,1979.65 cw(c2643.37,1985.76) 2637.26,1991.87 2642.49,1997.1 cw(c2648.6,1991) 2654.71,1997.1 2662.52,1989.29 2670.33,1981.48 ccw(c2676.44,1987.59) 2682.55,1981.48 2687.79,1986.72 ccw(c2681.68,1992.83) 2687.79,1998.94 2679.98,2006.75 2672.17,2014.56 cw(c2678.28,2020.67) 2672.17,2026.78 2677.4,2032.01 cw(c2683.51,2025.91) 2689.62,2032.01 2697.43,2024.2 2705.24,2016.39 ccw(c2711.35,2022.5) 2717.46,2016.39 2722.7,2021.63 ccw(c2716.59,2027.74) 2722.7,2033.85 2714.89,2041.66 2707.08,2049.47 cw(c2713.19,2055.58) 2707.08,2061.69 2712.31,2066.92 cw(c2718.42,2060.81) 2724.53,2066.92 2732.34,2059.11 2740.15,2051.3 ccw(c2746.26,2057.41) 2752.37,2051.3 2757.61,2056.54 ccw(c2751.5,2062.65) 2757.61,2068.76 2749.8,2076.57 2741.99,2084.38 cw(c2748.1,2090.49) 2741.99,2096.6 2747.22,2101.83 cw(c2753.33,2095.72) 2759.44,2101.83 2767.25,2094.02 2775.06,2086.21 ccw(c2781.17,2092.32) 2787.28,2086.21 2792.52,2091.45 ccw(c2786.41,2097.56) 2792.52,2103.67 2784.71,2111.48 2776.9,2119.29 cw(c2783.01,2125.4) 2776.9,2131.51 2782.13,2136.74 cw(c2788.24,2130.63) 2794.35,2136.74 2802.16,2128.93 2809.97,2121.12 ccw(c2816.08,2127.23) 2822.19,2121.12 2827.43,2126.36 ccw(c2821.32,2132.47) 2827.43,2138.58 2819.62,2146.39 2811.81,2154.2 cw(c2817.92,2160.31) 2811.81,2166.42 2817.04,2171.65 cw(c2823.15,2165.54) 2829.26,2171.65 2837.07,2163.84 2844.88,2156.03 ccw(c2850.99,2162.14) 2857.1,2156.03 2862.34,2161.27 ccw(c2856.23,2167.38) 2862.34,2173.49 2854.53,2181.3 2846.72,2189.11 cw(c2852.83,2195.22) 2846.72,2201.33 2851.95,2206.56 cw(c2858.06,2200.45) 2864.17,2206.56 2871.98,2198.75 2879.79,2190.94 ccw(c2885.9,2197.05) 2892.01,2190.94 2897.25,2196.18 ccw(c2891.14,2202.29) 2897.25,2208.4 2889.44,2216.21 2881.63,2224.02 cw(c2887.74,2230.13) 2881.63,2236.24 2886.86,2241.47 cw(c2892.97,2235.36) 2899.08,2241.47 2906.89,2233.66 2914.7,2225.85 ccw(c2920.81,2231.96) 2926.92,2225.85 2932.16,2231.09 ccw(c2926.05,2237.2) 2932.16,2243.31 2924.35,2251.12 2916.54,2258.93 cw(c2922.65,2265.04) 2916.54,2271.15 2921.77,2276.38 cw(c2927.88,2270.27) 2933.99,2276.38 2941.8,2268.57 2949.61,2260.76 ccw(c2955.72,2266.87) 2961.83,2260.76 2967.07,2266 ccw(c2960.96,2272.11) 2967.07,2278.22 2959.26,2286.03 2951.45,2293.84 cw(c2957.56,2299.95) 2951.45,2306.06 2956.68,2311.29 cw(c2962.79,2305.18) 2968.9,2311.29 2970.6,2309.59 ccw(c2976.71,2315.7) 2982.82,2309.59 2994.17,2320.94 3002.89,2329.67 3002.89,2435.54 2988.52,2449.91 2988.52,2494.5 3020.71,2526.69 ICGTRRP2.D16@3020.71,2572.2